# Altium PCB Titanium_v0.1.pcbdoc (continued)
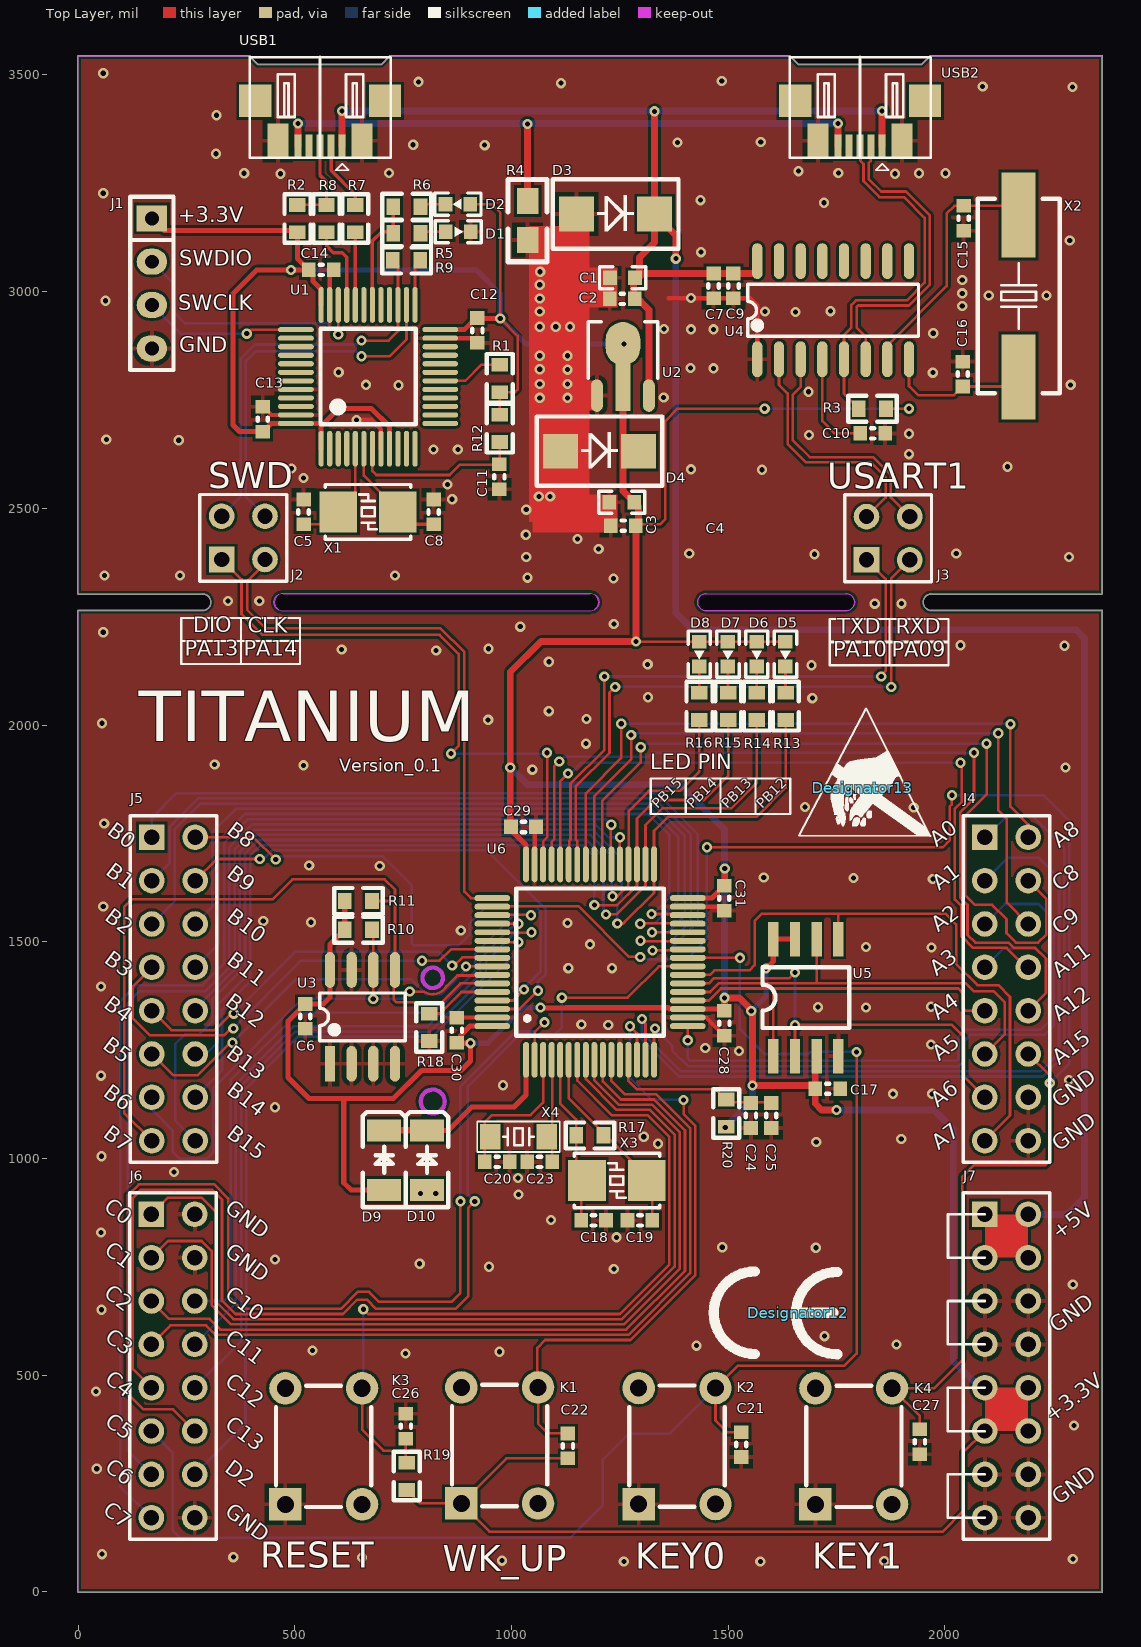
[diagram p0: Top Layer view]
## Nets (pads, with @x,y where several pads share a name; then routed paths per layer and width w, separated by ;. In a path a pad name is that pad's centre, name@x,y a point inside that pad or via, vN(x,y) a via of type N, cw(c..) or ccw(c..) an arc to the next point about the centre after c; other vN are vias at no path point) (continued)
CH340_RXD: J3.4 U4.3 | length 567.8
  Top Layer w6: U4.3 1667,2780.43 1649,2762.43 1649,2657 1688,2618 1833.97,2618 1875,2576.97 1875,2525 J3.4
CH340_TXD: J3.2 U4.2 | length 571
  Top Layer w6: U4.2 1617,2785 1637,2765 1637,2648 1679,2606 1829,2606 1863,2572 1863,2525 J3.2
GND: BAT1.2 C1.1 C2.1 C3.1 C4.1 C5.2 C6.1 C7.1 C8.2 C9.1 C10.2 C11.2 C12.2 C13.2 C14.2 C15.1 C16.1 C17.1 C18.1 C19.1 C20.1 C21.1 C23.1 C24.1 C25.1 C26.1 C27.1 C28.1 C29.1 C30.1 C31.1 D1.K D3.A D4.A J1.4 J4.14 J4.16 J6.2 J6.4 J6.16 J7.5 J7.6 J7.7 J7.8 J7.13 J7.14 J7.15 J7.16 K2.1 K3.1 K4.1 R4.2 R18.1 U1.8 U1.23 U1.35 U1.44 U1.47 U2.1 U3.1 U3.2 U3.3 U3.4 U3.7 U4.1 U5.4 U6.12 U6.18 U6.31 U6.47 U6.63 USB1.0@461,3348 USB1.0@655,3348 USB2.0@1707,3348 USB2.0@1901,3348 | length 1048.2
  Top Layer w10: C13.2 426.98,2734.48 446.05,2715.42 U1.47 ; U1.35 580.42,3040.94 C14.2 ; v1(642,2704) 677,2704 698.53,2682.47 U1.8 ; U1.23 920.42,2892.58 C12.2@925,2888 ; C30.1 874.57,1325.05 U6.63 ; U6.47 C29.1@1053.15,1761.61 ; 1362,2984.52 C7.1 C9.1 1550.48,2984.52 1567,2968 U4.1 ; U6.18 1448.95,1325.05 C28.1 ; U6.31 C31.1@1481.5,1580.95
  other v1: 1259,70 1574,70 1860,71 978,72 2295,76 655,79 358,80 55,87 43,284 2298,384 41,462 755,550 972,554 541,557 1427,568 1888,571 1722,590 54,651 2295,709 1236,745 948,750 788,757 454,767 1702,794 1486,795 1242,818 53,829 1091,858 1016,917 1015,955 221,969 54,1005 1338,1034 1703,1038 1899,1045 1305,1050 454,1118 1880,1149 1970,1149 980,1169 2286,1181 53,1191 1525,1248 1447,1255 1968,1263 1223,1308 1161,1309 1818,1348 1707,1349 1968,1350 53,1397 1131,1439 1232,1439 1969,1487 1818,1488 1181,1494 883,1526 1129,1543 537,1545 427,1548 58,1581 1972,1645 1789,1647 1582,1648 696,1675 533,1676 60,1773 1928,1810 1677,1811 1048,1897 2278,1902 520,1907 315,1909 1172,1957 55,2004 946,2012 1173,2014 1086,2032 1694,2062 1315,2064 1692,2138 1314,2140 1086,2146 826,2172 608,2174 947,2176 2276,2183 2036,2184 58,2214 1020,2227 1236,2233 1838,2280 1900,2280 346,2286 418,2286 1235,2338 1037,2340 61,2345 235,2345 731,2345 1034,2388 2286,2388 1699,2394 1410,2396 2026,2396 1201,2406 1152,2429 1033,2439 1034,2497 863,2521 1063,2527 1089,2527 852,2555 520,2570 1578,2589 1414,2590 492,2592 2144,2596 1917,2625 820,2636 876,2636 232,2657 65,2659 1686,2669 1917,2672 1065,2755 1129,2755 1351,2756 1685,2769 739,2784 664,2785 2290,2785 1065,2787 1129,2787 1972,2813 601,2814 1129,2820 1065,2821 1466,2823 1413,2824 1065,2852 1129,2852 1973,2904 1414,2913 1466,2913 1352,2914 1065,2919 1102,2919 1135,2919 1655,2953 1065,2954 1585,2954 1736,2955 2040,2967 63,2979 1065,2984 1414,2985 2101,2991 2234,2991 2040,2996 1065,3016 2040,3027 1066,3046 1437,3091 2288,3118 1721,3205 1436,3211 58,3227 467,3272 1885,3272 383,3273 1940,3273 2001,3273 717,3274 1754,3274 1662,3278 318,3318 938,3338 773,3339 1383,3344 1575,3345 319,3407 2294,3472 2087,3473 1114,3481 785,3484 1485,3486 58,3504
I2C1_SCL: J5.13 R10.1 U3.6 U6.58 | length 1283.6
  Top Layer w6: v1(681,1368) U3.6 R10.1@681,1525 ; v1(765,1385) 797.89,1385 ccw(c818,1416.8) 850.62,1398.05 874.76,1422.19 954.35,1422.19 U6.58
  Bottom Layer w6: J5.13@170,1113 218,1065 218,1016 235,999 296,999 312,1015 312,1163 517,1368 v1(681,1368) 748,1368 v1(765,1385)
I2C1_SDA: J5.15 R11.1 U3.5 U6.59 | length 1782.9
  Top Layer w6: J5.15 106,1105 106,1580 124,1598 448.5,1598 494.5,1644 707,1644 731,1620 731,1594 ; R11.1 731,1594 ; U6.59 881.79,1403.79 838,1360 735,1360 728,1367 728,1432 U3.5 731,1594
KEY0: C21.2 J6.11 K2.3 U6.25 | length 3493.3
  Top Layer w6: U6.25 v1(1526.84,1462.84) ; C21.2 1497.52,368.48 1470.5,395.5 K2.3 1522.5,522 1768,522 1796,550 v1(1796,1245.81)
  Bottom Layer w6: J6.11 218,322 218,141 234,125 1136,125 1210,199 1210,304 1271,365 1365.5,365 K2.3 ; v1(1526.84,1462.84) 1526.84,1298.16 1584,1241 1685.21,1241 1690.02,1245.81 v1(1796,1245.81)
KEY1: C27.2 J4.12 K4.3 U6.50 | length 3586.4
  Top Layer w6: U6.50 956.68,1582 1154,1582 1271,1465 v1(1297,1465) ; v1(1450.81,1718) 1995,1718 2011,1734 2011,1811.97 2016,1816.97 v1(2016,1838) ; C27.2 1942,405.88 K4.3 1974.72,469.72 2040,535 2040,958 2066,984 2231,984 2242,995 v1(2242,1174) 2242,1191 J4.12
  Bottom Layer w6: v1(1297,1465) 1302.81,1459.19 1404.19,1459.19 1450.81,1505.81 v1(1450.81,1718) ; v1(2016,1838) 2227,1838 2287,1778 2287,1219 v1(2242,1174)
LED1: J5.10 R13.2 U6.33 | length 2261.7
  Top Layer w6: v1(1244,1542) 1258,1542 1261,1545 1328.74,1612.74 U6.33 1328.74,1755.74 1361,1788 1565,1788 1632.47,1855.47 R13.2
  Bottom Layer w6: J5.10 270,1345.03 361,1436.03 361,1713.34 406.47,1758.81 1187.19,1758.81 1253.81,1692.19 1253.81,1596.38 1244,1586.57 v1(1244,1542)
LED2: J5.12 R14.2 U6.34 | length 2216.2
  Top Layer w6: v1(1218,1563) 1242.02,1563 1309.06,1630.04 U6.34 1309.06,1769.06 1348,1808 1507,1808 1566.14,1867.14 R14.2
  Bottom Layer w6: J5.12 295,1241 322,1268 322,1354.14 385,1417.14 385,1703.4 416.41,1734.81 1173.19,1734.81 1212.19,1695.81 1212.19,1571.81 1218,1566 v1(1218,1563)
LED3: J5.14 R15.2 U6.35 | length 2188.2
  Top Layer w6: v1(1191,1585) 1191.81,1584.19 1243.52,1584.19 1289.37,1630.04 U6.35 1289.37,1784.37 1332,1827 1444,1827 1499.81,1882.81 R15.2
  Bottom Layer w6: J5.14 332,1203 332,1343 397,1408 397,1698.43 421.38,1722.81 1164.19,1722.81 1191,1696 v1(1191,1585)
LED4: J5.16 R16.2 U6.36 | length 2294.1
  Top Layer w6: v1(1233,1605) 1244.65,1605 1269.69,1630.04 U6.36 1270.81,1679.6 1270.81,1801.81 1317,1848 1389,1848 1433.47,1892.47 R16.2
  Bottom Layer w6: J5.16 224,1087 224,1264 246,1286 279,1286 310,1317 310,1368.06 373,1431.06 373,1708.37 411.44,1746.81 1182.22,1746.81 1231,1698.03 1231,1607 v1(1233,1605)
NetC5_1: C5.1 U1.5 X1.2 | length 254
  Top Layer w6: C5.1 571.1,2463 X1.2 639.47,2531.37 U1.5
NetC8_1: C8.1 U1.6 X1.1 | length 272.3
  Top Layer w6: U1.6 659.16,2575.84 679,2556 679,2554.83 737.9,2495.94 X1.1
  Top Layer w7.87: X1.1 766.9,2463 C8.1
NetC10_1: C10.1 U4.4 | length 242.1
  Top Layer w6: U4.4 1717,2701 1745,2673 C10.1
NetC11_1: C11.1 R12.2 U1.7 | length 410.5
  Top Layer w6: U1.7 678.84,2586.16 688,2577 857,2577 881,2601 971.52,2601 C11.1 973,2602.48 R12.2
NetC15_2: C15.2 U4.7 X2.2 | length 545.2
  Top Layer w6: U4.7 1867,2876 2004,3013 2004,3180 2022,3198 C15.2 X2.2@2149.01,3198
NetC16_2: C16.2 U4.8 X2.1 | length 310
  Top Layer w6: U4.8 1917,2782 1938,2761 2021,2761 C16.2 X2.1@2148.01,2781
NetC18_2: C18.2 R17.2 U6.5 X3.2 | length 347.1
  Top Layer w6: U6.5 1112.2,1126.8 1149.01,1089.99 R17.2 X3.2@1149.01,974.09 ; C18.2 X3.2@1160.52,935.42
NetC19_2: C19.2 R17.1 U6.6 X3.1 | length 432
  Top Layer w6: U6.6 1131.89,1139.11 1213.38,1057.62 1311.9,959.1 X3.1 ; C19.2 X3.1@1325,935.9
NetC20_2: C20.2 U6.3 X4.1 | length 349.5
  Top Layer w6: C20.2@938,986 C20.2 938,1050 938,1083 955,1100 1044,1100 1072.83,1128.83 U6.3
NetC23_2: C23.2 U6.4 X4.2 | length 234.6
  Top Layer w6: C23.2 1093.48,1050 U6.4@1093.48,1226.57
NetC24_2: C24.2 C25.2 R20.2 U6.13 | length 393.6
  Top Layer w6: U6.13 1269.68,1179.09 1288.78,1160 1470.99,1160 R20.2 ; R20.2@1495.19,1129.8 1552.19,1129.8 C25.2@1597.19,1129.8
NetD1_A: D1.A R5.2 | length 58
  Top Layer w6: R5.2@789.99,3138 D1.A
NetD2_K: D2.K R6.2 | length 57.5
  Top Layer w6: R6.2@789.99,3202 D2.K
NetD5_K: D5.K R13.1 | length 60.1
  Top Layer w6: R13.1@1632,2075.02 D5.K
NetD6_K: D6.K R14.1 | length 60
  Top Layer w6: R14.1@1565.67,2075.02 D6.K
NetD7_K: D7.K R15.1 | length 60.1
  Top Layer w6: R15.1@1499.33,2075.02 D7.K
NetD8_K: D8.K R16.1 | length 60
  Top Layer w6: R16.1@1433,2075.02 D8.K
NetD9_K: D9.K D10.K U6.1 | length 442.4
  Top Layer w12: D10.K 853.8,1064.8 908,1119 1006,1119 1033.46,1146.46 U6.1
  Top Layer w15: D9.K D10.K
NetR1_1: R1.1 U1.18 | length 152.8
  Top Layer w6: U1.18 893.16,2794.16 929.99,2830.99 R1.1
NetR5_1: R5.1 R6.1 U1.30 | length 268.3
  Top Layer w7.87: U1.30 678.84,3116.84 700,3138 727,3138 R6.1@727,3202
NetR7_2: R7.2 U1.32 | length 167.8
  Top Layer w7.87: R7.2 639.47,3136.54 U1.32
NetR8_2: R8.2 U1.33 | length 198.7
  Top Layer w7.87: R8.2 573,3106 589,3090 609,3090 619.79,3079.21 U1.33
NetR9_1: R9.1 U1.25 | length 107.4
  Top Layer w7.87: U1.25 777.27,3060.28 R9.1
NetR18_2: R18.2 U6.60 | length 166.4
  Top Layer w6: R18.2 810.49,1334.48 834.48,1334.48 884.1,1384.1 U6.60
PA0: C22.2 J4.1 K1.3 U6.14 | length 3237.9
  Top Layer w6: C22.2 1083.52,365.48 1061.17,387.83 K1.3 1059.52,473.36 1059.52,563.02 1077.5,581 1274.54,581 1424.2,730.67 1424.2,1074.8 1397,1102 v1(1397,1135) ; v1(1273,1305) 1289.37,1288.63 U6.14
  Bottom Layer w6: v1@1273,1304.86 1273.14,1304.86 1289,1289 1289,1286.03 1386.03,1189 2225.97,1189 2275,1238.03 2275,1717.2 2228.48,1763.72 ; v1(1273,1305) 1273,1186 1324,1135 v1(1397,1135) ; J4.1 2118.53,1767.53 2120.28,1767.53 2144.12,1791.38 2200.85,1791.38 2228.48,1763.74
PA1: J4.3 U6.15 | length 1763.1
  Top Layer w6: v1@1298,1322 1309.06,1310.94 U6.15
  Bottom Layer w6: v1(1301,1322) 1301,1291 1391,1201 2221,1201 2263,1243 2263,1647 2216,1694 2145,1694 J4.3
PA2: J4.5 U6.16 | length 1538.2
  Top Layer w6: U6.16 v1@1328.74,1299.74
  Bottom Layer w6: v1(1331,1300) 1370.7,1260.3 1370.7,1249.33 1407.03,1213 2032.14,1213 2044,1224.86 2044,1270 2059,1285 2230,1285 2251,1306 2251,1552 2216,1587 2138,1587 J4.5
PA3: J4.7 U6.17 | length 1294.3
  Top Layer w6: v1(1406.57,1272.43) U6.17
  Bottom Layer w6: v1(1406.57,1272.43) 1406.57,1230.43 1412,1225 2027.17,1225 2031,1228.83 2031,1281 2047,1297 2221,1297 2239,1315 2239,1455 2210,1484 2135,1484 J4.7
PA4: J4.9 U5.1 U6.20 | length 894.5
  Top Layer w6: U6.20 1455.42,1364.42 1483,1392 1604,1392 ; U5.1 1604,1392 ; J4.9 2047,1341 2041,1347 2041,1382 2031,1392 1604,1392
PA5: J4.11 U5.6 U6.21 | length 997.9
  Top Layer w6: U6.21 1458.13,1384.1 1478.03,1404 1704,1404 ; U5.6 1704,1404 ; J4.11 2138,1287 2138,1360 2112,1386 2066,1386 2048,1404 1704,1404
PA6: J4.13 U5.2 U6.22 | length 1011.4
  Top Layer w6: U6.22 1455.31,1403.79 1467.53,1416 1641,1416 v1(1654,1429) ; U5.2 1654.06,1307.94 v1(1654,1308) 2016,1308 2044,1280 2044,1189 J4.13
  Bottom Layer w6: v1(1654,1308) v1(1654,1429)
PA7: J4.15 U5.5 U6.23 | length 1409.6
  Top Layer w6: U6.23 1457.47,1423.47 1468,1434 1549,1434 1561,1446 1561,1548 1578,1565 1754,1565 ; U5.5 1754,1565 ; J4.15 2150,1099 2150,1373 2123,1400 2075.14,1400 2026,1449.14 2026,1540 2001,1565 1754,1565
PA8: J4.2 U6.41 | length 1534.8
  Top Layer w6: U6.41 1171.26,1842.26 1253,1924 v1(1253,2003) ; v1(2151,2002) 2151,1812 2192,1771 J4.2
  Bottom Layer w6: v1(1253,2003) 2150,2003 v1(2151,2002)
PA9: J3.3 U6.42 | length 1396.5
  Top Layer w6: U6.42 1151.57,1732.43 1148,1736 1148,1858 1226,1936 1226,2075 v1(1239,2088) ; v1(1876,2088) 1876,2338 J3.3
  Bottom Layer w6: v1(1239,2088) v1(1876,2088)
PA10: J3.1 U6.43 | length 1392.1
  Top Layer w6: U6.43 1133.38,1679.96 1133.38,1732.38 1136,1735 1136,1864.57 1214,1942.57 v1(1214,2112) ; J3.1 1863,2337 1863,2125 v1@1855,2117
  Bottom Layer w6: v1(1214,2112) v1(1853,2112)
PA11: J4.8 U6.44 | length 1731.1
  Top Layer w6: U6.44 1112.2,1870.2 v1(1130,1888) ; v1(2036,1913) 2039,1910 2039,1823 2023,1807 2023,1597.06 2038,1582.06 2038,1513.03 2065.03,1486 2142.06,1486 2187.06,1441 J4.8
  Bottom Layer w6: v1(1130,1888) 1136,1888 1161,1913 v1(2036,1913)
PA12: J4.10 U6.45 | length 1991.1
  Top Layer w6: U6.45 1092.52,1730.52 1098.32,1736.32 1098.32,1904.32 v1(1110,1916) ; v1(2067,1936) 2067,1830 2035,1798 2035,1602.03 2052,1585.03 2052,1516 2070,1498 2147.03,1498 2159.03,1486 2208,1486 2233,1461 2233,1382 2194.07,1343.07 J4.10
  Bottom Layer w6: v1(1110,1916) 1111.33,1916 1122.33,1927 1316,1927 1325,1936 v1(2067,1936)
PB0: J5.1 U6.26 | length 1784.2
  Top Layer w6: v1(1325,1480) 1404.05,1480 U6.26
  Bottom Layer w6: J5.1 170,1786 226.81,1842.81 1335.19,1842.81 1430,1748 1430,1547.03 1362.97,1480 v1(1325,1480)
PB1: J5.3 U6.27 | length 1851.1
  Top Layer w6: v1(1297.21,1502.21) 1298.34,1501.09 1405.45,1501.09 U6.27
  Bottom Layer w6: J5.3 211,1682 211,1765 276.81,1830.81 1330.22,1830.81 1413,1748.03 1413,1547 1367.09,1501.09 1298.34,1501.09 v1(1297.21,1502.21)
PB2: J5.5 U6.28 | length 1830.9
  Top Layer w6: v1(1324.1,1521.9) U6.28
  Bottom Layer w6: J5.5 223,1594 223,1760 281.81,1818.81 1325.25,1818.81 1400,1744.06 1400,1561 1360.9,1521.9 v1(1324.1,1521.9)
PB3: J5.7 U6.55 | length 1063.9
  Top Layer w6: J5.7 126.12,1397.12 126.12,1326.15 126.2,1323.24 165.44,1284 337,1284 353,1300 v1(358,1300) ; v1(793.42,1456.19) 834.19,1456.19 860.53,1482.53 U6.55
  Bottom Layer w6: v1(358,1300) 514.19,1456.19 v1(793.42,1456.19)
PB4: J5.9 U6.56 | length 900.7
  Top Layer w6: J5.9 215,1296 316,1296 354,1334 v1(359,1334) ; v1(863,1445) 867.57,1445 886.38,1463.81 954.66,1463.81 U6.56
  Bottom Layer w6: v1(359,1334) 502,1477 831,1477 v1(863,1445)
PB5: J5.11 U6.57 | length 942.1
  Top Layer w6: J5.11 219,1192 276,1192 351,1267 v1(356,1267) ; v1(895,1443) 955.47,1443 U6.57
  Bottom Layer w6: v1(356,1267) 502,1413 768.59,1413 802.42,1379.17 838.17,1379.17 895,1436 v1(895,1443)
PB8: J5.2 U6.61 | length 1321.4
  Top Layer w6: J5.2 405,1741 v1(456,1690) ; U6.61 1003.42,1364.42 v1(1029,1390)
  Bottom Layer w6: v1(456,1690) 462.81,1696.81 703.62,1696.81 769.63,1630.8 769.63,1496.85 774.9,1491.57 878.01,1491.57 903.81,1517.38 903.81,1542.78 943.03,1582 1054.89,1582 1067.08,1569.81 1067.08,1430.91 1029,1392.83 v1(1029,1390)
PB9: J5.4 U6.62 | length 1212.5
  Top Layer w6: J5.4 320,1691 v1(419,1691) ; U6.62 1018.73,1344.73 v1(1061,1387)
  Bottom Layer w6: v1(419,1691) 427.57,1691 447.38,1710.81 943.05,1710.81 1079.08,1574.78 1079.08,1425.94 1061,1407.86 v1(1061,1387)
PB10: J5.6 U6.29 | length 1719.5
  Top Layer w6: v1(1297,1541.58) 1298.13,1542.71 1405.45,1542.71 U6.29
  Bottom Layer w6: J5.6 310,1581 310,1753 363.81,1806.81 1320.28,1806.81 1385,1742.09 1385,1596.57 1331.14,1542.71 1298.13,1542.71 v1(1297,1541.58)
PB11: J5.8 U6.30 | length 1685.9
  Top Layer w6: v1(1323,1564) 1403.84,1564 U6.30
  Bottom Layer w6: J5.8 324,1495 324,1733.34 385.47,1794.81 1315.31,1794.81 1364,1746.12 1364,1602 1326,1564 v1(1323,1564)
PC0: J6.1 U6.8 | length 2118.2
  Top Layer w6: J6.1 207.53,909.53 284.96,909.53 320,874.49 320,667.03 358.03,629 1254.66,629 1376.2,750.55 1376.2,1054.91 1319.12,1112 1242.09,1112 1171.26,1182.83 U6.8
PC1: J6.3 U6.9 | length 2049.8
  Top Layer w6: J6.3 207.53,809.53 284.96,809.53 308,786.49 308,662.06 353.06,617 1259.63,617 1388.2,745.58 1388.2,1059.88 1324.09,1124 1247.06,1124 1190.94,1180.11 U6.9
PC2: J6.5 U6.10 | length 1925.3
  Top Layer w6: J6.5 210,630 303,630 328,605 1264.6,605 1400.2,740.61 1400.2,1064.85 1329.06,1136 1252.03,1136 1210.63,1177.4 U6.10
PC3: J6.7 U6.11 | length 1939.4
  Top Layer w6: J6.7 213,615 295,615 317,593 1269.57,593 1412.2,735.64 1412.2,1069.82 1334.03,1148 1261.41,1148 1230.31,1179.09 U6.11
PC4: J6.9 U6.24 | length 2687.1
  Top Layer w6: J6.9 126,514 126,909 145,928 309.14,928 332,905.14 332,672 363,641 610.97,641 643.97,674 666,674 687,653 871,653 900,682 900,886 v1(915,901) ; v1(1116,1371) 1268,1371 1340.16,1443.16 U6.24
  Bottom Layer w6: v1(915,901) 899,917 899,1166 1014,1281 1095,1281 1116,1302 v1(1116,1371)
PC6: J6.13 U6.37 | length 2654.1
  Top Layer w6: U6.37 v1(1250,1741)
  Bottom Layer w6: J6.13 114,326 114,1358 142,1386 294,1386 349,1441 349,1718.31 401.5,1770.81 1194.19,1770.81 1224,1741 v1(1250,1741)
PC7: J6.15 U6.38 | length 2788.8
  Top Layer w6: v1(1230,1770) 1229.19,1769.19 1229.19,1679.6 U6.38
  Bottom Layer w6: J6.15 97,243 97,1362 135,1400 287,1400 337,1450 337,1728.28 391.53,1782.81 1217.19,1782.81 v1(1230,1770)
PC8: J4.4 U6.39 | length 1879.7
  Top Layer w6: U6.39 1209.19,1679.91 1209.19,1825.19 1298,1914 v1(1298,1949) ; v1(2096,1957) 2096,1840 2047,1791 2047,1607 2069,1585 2109,1585 2142,1552 2142,1520 2164,1498 2215,1498 2234,1517 2234,1599 J4.4
  Bottom Layer w6: v1(1298,1949) 1302,1949 1310,1957 v1(2096,1957)
PC9: J4.6 U6.40 | length 1651
  Top Layer w6: U6.40 1190.94,1835.94 1276,1921 v1(1276,1977) ; v1(2123,1981) 2123,1803 2143,1783 2143,1590 J4.6
  Bottom Layer w6: v1(1276,1977) 1280,1981 v1(2123,1981)
PC10: J6.6 U6.51 | length 1549.3
  Top Layer w6: U6.51 956.76,1562.39 1043.61,1562.39 v1(1045,1561)
  Bottom Layer w6: J6.6 336,671 352,687 352,1181 507,1336 821,1336 916,1431 916,1471.43 1006.96,1562.39 1043.61,1562.39 v1(1045,1561)
PC11: J6.8 U6.52 | length 1525.8
  Top Layer w6: U6.52 v1(1015.58,1541.58)
  Bottom Layer w6: J6.8 364,666 364,1171.94 496.63,1304.57 577.2,1304.57 806.54,1304.57 928,1426.03 928,1461.61 1000.28,1533.9 1003.13,1533.9 1010.81,1541.58 v1(1015.58,1541.58)
PC12: J6.10 U6.53 | length 1667
  Top Layer w6: U6.53 956.76,1520.77 1044.87,1520.77 v1(1046,1521.9)
  Bottom Layer w6: J6.10 376,578 376,1166.97 501.6,1292.57 582.17,1292.57 811.51,1292.57 940,1421.06 940,1452.43 1008.34,1520.77 1044.87,1520.77 v1(1046,1521.9)
PC13: J6.12 U6.2 | length 2538.1
  Top Layer w6: J6.12 219,421 151,421 114,458 114,913.97 140.03,940 314.11,940 346,908.11 346,683 376,653 606,653 645,692 671,692 694,669 861,669 882,690 v1(882,901) ; U6.2 1053.15,1291.15 v1(1076,1314)
  Bottom Layer w6: v1(882,901) 882,1165.97 1009.03,1293 1055,1293 v1(1076,1314)
PD2: J6.14 U6.54 | length 1780.7
  Top Layer w6: U6.54 958.84,1499 v1(1016,1499)
  Bottom Layer w6: J6.14 386,388 386,571.03 388,573.03 388,1162 506.57,1280.57 816.49,1280.57 1016,1480.09 v1(1016,1499)
RESET: C26.2 K3.3 R19.1 U6.7 | length 1814.9
  Top Layer w6: K3.3 655.17,374.83 704,326 755,326 ; v1(658,652) 669,641 1249.69,641 1364.2,755.52 1364.2,1049.94 1314.15,1100 1231,1100 1151.57,1179.43 U6.7 ; R19.1@756,300 C26.2
  Bottom Layer w6: K3.3@658,472.55 v1(658,652)
STM_SWCLK: J1.3 U1.37 | length 363.8
  Top Layer w6: v1(389,2903) 398.27,2912.27 U1.37
  Bottom Layer w6: J1.3 236,2903 v1(389,2903)
STM_SWDIO: J1.2 U1.34 | length 606
  Top Layer w6: v1(600.1,2901.1) U1.34
  Bottom Layer w6: J1.2 221,3018 221,2953 247,2927 574.2,2927 v1(600.1,2901.1)
SWCLK: J2.3 U6.49 | length 1297.5
  Top Layer w6: J2.3 431,2372.5 390,2331.5 390,2266 432.83,2223.18 835.8,2223.18 891,2167.97 891,1616 906.36,1600.64 U6.49
SWDIO: J2.1 U6.46 | length 1405.8
  Top Layer w6: J2.1 377,2336 377,2256 425,2208 834,2208 878,2164 878,1952 v1(860,1934) ; U6.46 1072.83,1731.83 1082,1741 v1(1082,1936)
  Bottom Layer w6: v1(860,1934) 1080,1934 v1(1082,1936)
T_SWCLK: J2.4 U1.26 | length 856.2
  Top Layer w6: v1(654,2851) 719,2851 757.58,2889.58 U1.26
  Bottom Layer w6: J2.4 387,2526 387,2839.86 409.14,2862 641.67,2862 652.67,2851 v1(654,2851)
T_SWDIO: J2.2 R9.2 U1.27 | length 938.5
  Top Layer w6: v1(654,2887) 716,2887 737.9,2908.9 U1.27 737.9,3060.1 R9.2
  Bottom Layer w6: J2.2 375,2526 375,2844.83 408.17,2878 641.67,2878 650.67,2887 v1(654,2887)
USB-: R4.1 USB1.5 USB2.5 | length 1530
  Top Layer w15.75: USB1.5 v1(507,3388) ; R4.1 v1(1037,3387) ; USB2.5 v1(1753,3388)
  Bottom Layer w15.75: v1(507,3388) v1(1753,3388)
USB_DM: R7.1 USB1.2 | length 158
  Top Layer w7.87: USB1.2 583.5,3279.5 639,3224 R7.1
USB_DP: R2.1 R8.1 USB1.3 | length 208.2
  Top Layer w6: R2.1 R8.1
  Top Layer w7.87: USB1.3 558,3269 573,3254 R8.1
pads on no net: K1.2 K1.4 K2.2 K2.4 K3.2 K3.4 K4.2 K4.4 U1.2 U1.3 U1.4 U1.10 U1.11 U1.12 U1.13 U1.14 U1.15 U1.16 U1.17 U1.19 U1.20 U1.21 U1.22 U1.28 U1.29 U1.31 U1.38 U1.39 U1.40 U1.41 U1.42 U1.43 U1.45 U1.46 U4.9 U4.10 U4.11 U4.12 U4.13 U4.14 U4.15 USB1.0@409,3440 USB1.0@708,3440 USB1.4 USB2.0@1655,3440 USB2.0@1954,3440 USB2.4

## Polygon pours and split planes (outlines as drawn)
GND on Top Layer "GND" (solid, remove dead copper, pour order 0): 0,3543.31 2362.2,3543.31 2362.2,0 0,0
GND on Bottom Layer "GND" (solid, remove dead copper, pour order 2): 0,3543.31 2362.2,3543.31 2362.2,0 0,0

## Keep-outs
Keep-Out Layer:
  lines w2: 287.4,2263.69 220.41,2263.69 0,2263.69 0,0 2362.2,0 2362.2,2263.78 1968.5,2263.78 ; 287.4,2303.06 220.22,2303.06 0,2303.06 0,3543.31 396,3543.31 396,3541.62 414,3523.62 700,3523.62 719,3542.62 719,3543.31 1641.31,3543.31 ; 472.44,2263.69 526.09,2263.69 1181.1,2263.69 ; 472.44,2303.06 526.09,2303.06 ; 526,2303.15 526.09,2303.06 ; 1181.1,2303.06 526.09,2303.06 ; 1449,2263.78 1771.65,2263.78 ; 1449,2303.15 1771.65,2303.15 ; 1642,3543 1642,3543.31 1642,3542.62 1661,3523.62 1947,3523.62 1966.69,3543.31 ; 1967,3543.31 1966.69,3543.31 ; 1968.5,2303.15 2362.2,2303.15 2362.2,3543.31 1966.69,3543.31
  lines w2.01: 287.4,2263.69 ccw(c287.4,2283.37) 287.4,2303.06 ; 472.44,2263.68 cw(c472.44,2283.37) 472.44,2303.06 ; 1181.1,2263.69 ccw(c1181.1,2283.37) 1181.1,2303.06 ; 1449,2263.78 cw(c1449,2283.46) 1449,2303.15 ; 1771.65,2263.78 ccw(c1771.65,2283.46) 1771.65,2303.15 ; 1968.5,2263.78 cw(c1968.5,2283.46) 1968.5,2303.15

## Other copper
Top Layer:
  rectangle net GND: 1090,2963 1244,3056
  rectangle net GND: 1048,2444.5 1244,2532
  rectangle net GND: 1117,2726 1205,2795
  rectangle net GND: 1040,2469 1179.86,3152
  rectangle net +5V: 2092,771 2192,871
  rectangle net +3.3V: 2092,371 2192,471

## Silkscreen, mask and mechanical layers (free items; w line width, h text height)
Top Overlay:
  lines w5: 1402,1797 1402,1877 ; 1482,1797.5 1482,1876 ; 1563,1795 1563,1877 ; 238,2194 258,2194 376,2194 ; 238,2194 238,2141 376,2141 ; 238,2194 376,2194 ; 238,2194 238,2247 258,2247 376,2247 ; 376,2141 512,2141 512,2194 ; 376,2141 376,2194 ; 376,2194 512,2194 ; 376,2194 376,2247 ; 376,2194 512,2194 ; 376,2247 512,2247 512,2194 ; 1872,2138 1872,2191 ; 1872,2138 1734,2138 1734,2191 1754,2191 1872,2191 ; 1872,2138 2008,2138 2008,2191 1872,2191 ; 1872,2192 2008,2192 2008,2245 1872,2245 ; 1872,2192 1734,2192 1734,2245 1754,2245 1872,2245 ; 1872,2192 1872,2245 ; 1321,1795 1321,1877 1643,1877 1643,1795 1321,1795
  lines w6: 2006,670 2006,571 2092,571 ; 2007,671 2092,671 ; 2092,171 2036,171 2006,171 2006,221 2006,271 2092,271 ; 2092,371 2006,371 2006,471 2092,471 ; 2092,771 2007,771 2007,871 2092,871
  text "+3.3V" at 230.68,3148.67 h60
  text "SWDIO" at 233.68,3048.67 h60
  text "SWCLK" at 230.68,2945.67 h60
  text "GND" at 232.68,2848.67 h60
  text "SWD" at 300,2546 h60
  text "USART1" at 1728,2545 h60
  text "DIO" at 266,2202 h60
  text "CLK" at 391,2201 h60
  text "TXD" at 1751,2199 h60
  text "RXD" at 1887,2199 h60
  text "PA13" at 245.68,2148.67 h60
  text "PA14" at 381.75,2148 h60
  text "PA10" at 1741.75,2145.62 h60
  text "PA09" at 1877.64,2145.62 h60
  text "TITANIUM" at 140,1925 h200
  text "LED PIN" at 1320,1886 h60
  text "Version_0.1" at 602,1882 h50
  text "PB15" at 1343,1800 h40 r45
  text "PB14" at 1424,1800 h40 r45
  text "PB13" at 1504,1800 h40 r45
  text "PB12" at 1584,1800 h40 r45
  text "B8" at 333.7,1742.25 h60 r322.96
  text "B0" at 58,1741 h60 r322.96
  text "A0" at 1988,1708 h60 r37.04
  text "A8" at 2271,1705 h60 r37.04
  text "B1" at 55,1648 h60 r322.96
  text "B9" at 333.7,1642.25 h60 r322.96
  text "A1" at 1994,1607 h60 r37.04
  text "C8" at 2271,1605 h60 r37.04
  text "B2" at 52,1543 h60 r322.96
  text "B10" at 333.7,1542.25 h60 r322.96
  text "A2" at 1991,1511 h60 r37.04
  text "C9" at 2271,1505 h60 r37.04
  text "B3" at 51,1445 h60 r322.96
  text "B11" at 333.7,1442.25 h60 r322.96
  text "A3" at 1988,1410 h60 r37.04
  text "A11" at 2271,1405 h60 r37.04
  text "B12" at 330,1346 h60 r322.96
  text "B4" at 50,1341 h60 r322.96
  text "A4" at 1991,1309 h60 r37.04
  text "A12" at 2271,1305 h60 r37.04
  text "B5" at 48,1246 h60 r322.96
  text "B13" at 333,1227 h60 r322.96
  text "A5" at 1994,1214 h60 r37.04
  text "A15" at 2271,1205 h60 r37.04
  text "B14" at 333.7,1142.25 h60 r322.96
  text "B6" at 49,1137 h60 r322.96
  text "A6" at 1990,1107 h60 r37.04
  text "GND" at 2271,1105 h60 r37.04
  text "B7" at 49,1042 h60 r322.96
  text "B15" at 333.7,1042.25 h60 r322.96
  text "A7" at 1993,1008 h60 r37.04
  text "GND" at 2271,1005 h60 r37.04
  text "C0" at 50,874 h60 r322.96
  text "GND" at 328.7,870.25 h60 r322.96
  text "+5V" at 2270,802 h60 r37.04
  text "C1" at 51,773 h60 r322.96
  text "GND" at 328.7,770.25 h60 r322.96
  text "C2" at 50,674 h60 r322.96
  text "C10" at 328.7,670.25 h60 r322.96
  text "GND" at 2265,586 h60 r37.04
  text "C3" at 52,573 h60 r322.96
  text "C11" at 328.7,570.25 h60 r322.96
  text "C4" at 52,475 h60 r322.96
  text "C12" at 328.7,470.25 h60 r322.96
  text "+3.3V" at 2255,380 h60 r37.04
  text "C5" at 52,377 h60 r322.96
  text "C13" at 328.7,370.25 h60 r322.96
  text "C6" at 52,272 h60 r322.96
  text "D2" at 328.7,270.25 h60 r322.96
  text "GND" at 2271,189 h60 r37.04
  text "C7" at 48,173 h60 r322.96
  text "GND" at 328.7,170.25 h60 r322.96
  text "RESET" at 420.05,56 h60
  text "KEY0" at 1285.04,53 h60
  text "KEY1" at 1694.03,53 h60
  text "WK_UP" at 841.05,48 h60

## Dimensions
0,0 to 0,3543.31 on Top Overlay
2362.2,3543.31 to 0,3543.31 on Top Overlay